# Altium PCB Rectifire_(PFC)_Evaluation_board.PcbDoc
Units mil, origin at the board's own origin, x right, y up, seen from the top; angles counter-clockwise.
Board outline 6000 x 4000 mil, 2 copper layers (Top Layer, Bottom Layer); 130 components, 52 nets, 310 pads, 0 vias.
Unrouted connection lines stored in the file: 245.
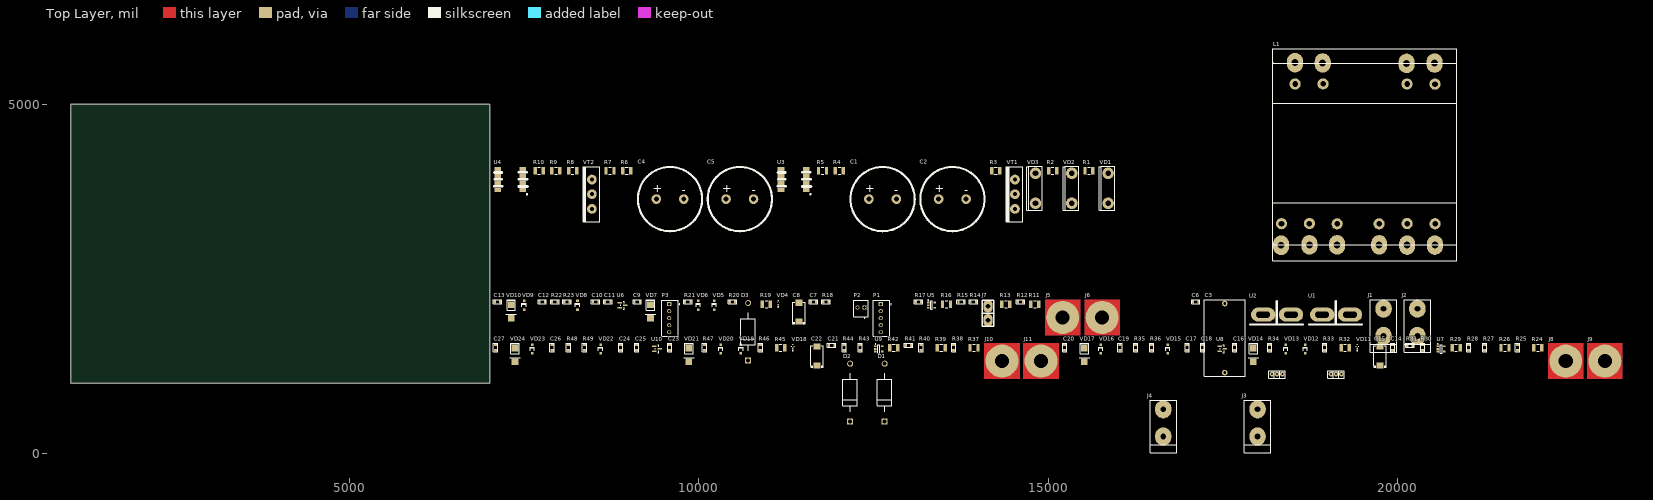
[diagram p0: Top Layer view]
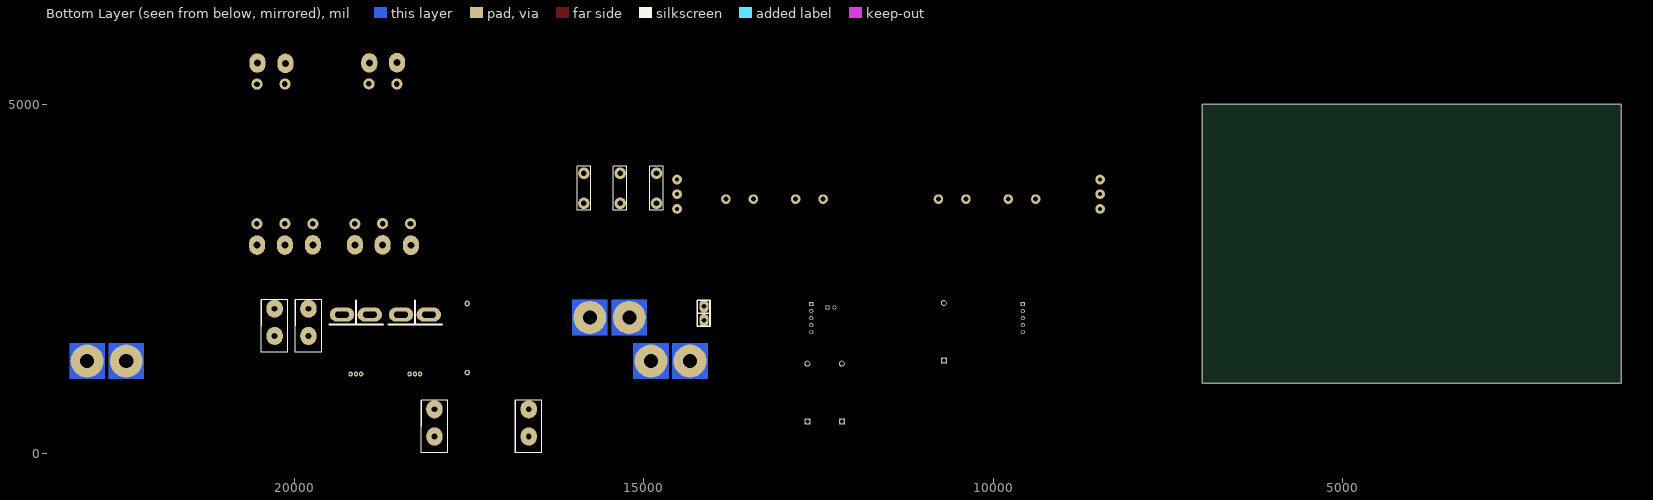
[diagram p1: Bottom Layer view, seen from below]

## Layer stack, top to bottom
Top Solder: solder mask 0.4, Solder Resist, Dk 3.5
Top Layer: signal copper 1.4
Dielectric 1: dielectric 12.6, FR-4, Dk 4.8
Bottom Layer: signal copper 1.4
Bottom Solder: solder mask 0.4, Solder Resist, Dk 3.5

## Board outline
1000,1000 7000,1000 7000,5000 1000,5000

## Design rules (kind name [scope] priority, off if disabled: settings)
Clearance [All] p1: gap=10 ignorepadtopadclearanceinfootprint=FALSE except(0: Arc-Hole Track-Hole SMDPad-Hole THPad-Hole Via-Hole Fill-Hole Poly-Hole Region-Hole Text-Hole)
PolygonConnect [All] p1: connectstyle=Relief reliefconductorwidth=10 reliefentries=4 polygonreliefangle="90 Angle" airgapwidth=10
RoomDefinition Rectifire_(PFC) [InComponentClass('Rectifire_(PFC)')] p1: confinementstyle=ConfineIn formatcopy=TRUE lockcomponents=FALSE outline 7045,1060 18670,1060 18670,4220 7045,4220
RoutingVias [All] p1: holewidth=28 width=50 viastyle="Through Hole" minholewidth=28 minwidth=50 maxholewidth=28 maxwidth=50
SolderMaskExpansion [All] p1: expansion=4 istentingtop=FALSE
Width [All] p1: maxlimit=10 minlimit=10 preferedwidth=10
30 further rules are at their usual default settings.

## Components (designator, comment, footprint, x,y, rotation, side; value= is the part's Value field where it differs from the comment)
C1 "CAP-POLAR" "CAP 100uF_500V 22x40mm" 12630,3640 r0 top
C2 "CAP-POLAR" "CAP 100uF_500V 22x40mm" 13630,3640 r0 top
C3 "CAP-NON-POLAR" CAP_4.7uF_630V 17530,1650 r90 top
C4 "CAP-POLAR" "CAP 100uF_500V 22x40mm" 9585,3640 r0 top
C5 "CAP-POLAR" "CAP 100uF_500V 22x40mm" 10585,3640 r0 top
C6 "CAP-NON-POLAR" CAP-0805 17115,2170 r0 top
C7 "0.1uF" CAP-0805 11640,2170 r0 top
C8 "50uF" CAP-TAN-D 11430,2020 r90 top
C9 "470pF" CAP-0805 9115,2170 r0 top
C10 "1uF" CAP-0805 8520,2170 r0 top
C11 "470pF" CAP-0805 8695,2170 r0 top
C12 "470pF" CAP-0805 7755,2170 r0 top
C13 "470pF" CAP-0805 7115,2170 r0 top
C14 "0.1uF" CAP-0805 19935,1515 r90 top
C15 "50uF" CAP-TAN-D 19755,1395 r90 top
C16 "470pF" CAP-0805 17675,1515 r90 top
C17 "1uF" CAP-0805 16995,1515 r90 top
C18 "470pF" CAP-0805 17215,1515 r90 top
C19 "470pF" CAP-0805 16030,1515 r90 top
C20 "470pF" CAP-0805 15240,1515 r90 top
C21 "0.1uF" CAP-0805 11900,1545 r0 top
C22 "50uF" CAP-TAN-D 11690,1395 r90 top
C23 "470pF" CAP-0805 9580,1515 r90 top
C24 "1uF" CAP-0805 8880,1515 r90 top
C25 "470pF" CAP-0805 9110,1515 r90 top
C26 "470pF" CAP-0805 7895,1515 r90 top
C27 "470pF" CAP-0805 7085,1515 r90 top
D1 "FR-207" FP-DO-201AD-MFG 12660,870 r90 top
D2 "FR-207" FP-DO-201AD-MFG 12165,870 r90 top
D3 "FR-207" FP-DO-201AD-MFG 10705,1740 r90 top
J1 "MG_136_HT" Conn_MEIGAN_MG136HT 19805,1780 r0 top
J2 "MG_136_HT" Conn_MEIGAN_MG136HT 20290,1780 r0 top
J3 "MG_136_HT" Conn_MEIGAN_MG136HT 18000,340 r0 top
J4 "MG_136_HT" Conn_MEIGAN_MG136HT 16650,340 r0 top
J5 "Klema_6mm" Connector_6mm 15210,1945 r0 top
J6 "Klema_6mm" Connector_6mm 15775,1945 r0 top
J7 "Klema_15_A" Klema_PCB_15A 14140,2005 r90 top
J8 "Klema_6mm" Connector_6mm 22415,1320 r0 top
J9 "Klema_6mm" Connector_6mm 22975,1320 r0 top
J10 "Klema_6mm" Connector_6mm 14340,1320 r0 top
J11 "Klema_6mm" Connector_6mm 14900,1320 r0 top
L1 "750311457" Drossel 19480,4390 r0 top
P1 "61900511121" 61900511121 12615,1935 r90 top
P2 "61900211121" 61900211121 12320,2075 r0 top
P3 "61900511121" 61900511121 9585,1935 r90 top
R1 "RES_1210" RES_SMD_1210_IPC_B 15585,4045 r0 top
R2 "RES_1210" RES_SMD_1210_IPC_B 15065,4045 r0 top
R3 "RES_1210" RES_SMD_1210_IPC_B 14250,4045 r0 top
R4 "RES_1210" RES_SMD_1210_IPC_B 12010,4045 r0 top
R5 "RES_1210" RES_SMD_1210_IPC_B 11770,4045 r0 top
R6 "RES_1210" RES_SMD_1210_IPC_B 8965,4045 r0 top
R7 "RES_1210" RES_SMD_1210_IPC_B 8725,4045 r0 top
R8 "RES_1210" RES_SMD_1210_IPC_B 8190,4045 r0 top
R9 "RES_1210" RES_SMD_1210_IPC_B 7950,4045 r0 top
R10 "RES_1210" RES_SMD_1210_IPC_B 7710,4045 r0 top
R11 "330K" RES_SMD_1210_IPC_B 14810,2135 r0 top
R12 "20K" RES-0805 14605,2170 r0 top
R13 "330K" RES_SMD_1210_IPC_B 14395,2135 r0 top
R14 "4.7K" RES-0805 13930,2170 r0 top
R15 "10K  1%" RES-0805 13755,2170 r0 top
R16 "330K" RES_SMD_1210_IPC_B 13545,2135 r0 top
R17 "10K" RES-0805 13145,2170 r0 top
R18 "10K 1%" RES-0805 11820,2170 r0 top
R19 "10K" RES_SMD_1210_IPC_B 10965,2135 r0 top
R20 "10K" RES-0805 10480,2170 r0 top
R21 "10K" RES-0805 9840,2170 r0 top
R22 "15K" RES-0805 7935,2170 r0 top
R23 "30K" RES-0805 8110,2170 r0 top
R24 "330K" RES_SMD_1210_IPC_B 22015,1510 r0 top
R25 "20K" RES-0805 21725,1515 r90 top
R26 "330K" RES_SMD_1210_IPC_B 21545,1510 r0 top
R27 "4.7K" RES-0805 21255,1515 r90 top
R28 "10K  1%" RES-0805 21025,1515 r90 top
R29 "330K" RES_SMD_1210_IPC_B 20845,1510 r0 top
R30 "10K" RES-0805 20365,1515 r90 top
R31 "10K 1%" RES-0805 20185,1545 r0 top
R32 "10K" RES_SMD_1210_IPC_B 19255,1510 r0 top
R33 "10K" RES-0805 18965,1515 r90 top
R34 "10K" RES-0805 18175,1515 r90 top
R35 "15K" RES-0805 16255,1515 r90 top
R36 "30K" RES-0805 16485,1515 r90 top
R37 "330K" RES_SMD_1210_IPC_B 13940,1510 r0 top
R38 "20K" RES-0805 13650,1515 r90 top
R39 "330K" RES_SMD_1210_IPC_B 13470,1510 r0 top
R40 "4.7K" RES-0805 13180,1515 r90 top
R41 "10K  1%" RES-0805 13000,1545 r0 top
R42 "330K" RES_SMD_1210_IPC_B 12790,1510 r0 top
R43 "10K" RES-0805 12310,1515 r90 top
R44 "10K 1%" RES-0805 12080,1515 r90 top
R45 "10K" RES_SMD_1210_IPC_B 11170,1510 r0 top
R46 "10K" RES-0805 10880,1515 r90 top
R47 "10K" RES-0805 10080,1515 r90 top
R48 "15K" RES-0805 8130,1515 r90 top
R49 "30K" RES-0805 8360,1515 r90 top
U1 "ACS758" ACS758-100 19125,1520 r0 top
U2 "ACS758" ACS758-100 18280,1520 r0 top
U3 "HCPL-3120" HCPL-3120 11355,3920 r0 top
U4 "HCPL-3120" HCPL-3120 7295,3920 r0 top
U5 "" SOT-23-5 13330,2120 r0 top
U6 "TL431" TL431_SOT-23-3(A) 8905,2120 r0 top
U7 "" SOT-23-5 20630,1495 r0 top
U8 "TL431" TL431_SOT-23-3(A) 17495,1495 r0 top
U9 "" SOT-23-5 12575,1495 r0 top
U10 "TL431" TL431_SOT-23-3(A) 9400,1495 r0 top
VD1 "MUR4060" TO-247-2 15860,3795 r90 top
VD2 "MUR4060" TO-247-2 15340,3795 r90 top
VD3 "MUR4060" TO-247-2 14820,3795 r90 top
VD4 "5.0V" SOD-323 11135,2155 r90 top
VD5 "5.1V" DIOD-SOD123-2_V 10220,2120 r90 top
VD6 "5.1V" DIOD-SOD123-2_V 9990,2120 r90 top
VD7 "3.3V" DO-214AA 9305,1950 r90 top
VD8 "3.3V" DIOD-SOD123-2_V 8260,2120 r90 top
VD9 "3.3V" DIOD-SOD123-2_V 7495,2120 r90 top
VD10 "3.3V" DO-214AA 7310,1950 r90 top
VD11 "5.0V" SOD-323 19430,1530 r90 top
VD12 "5.1V" DIOD-SOD123-2_V 18685,1495 r90 top
VD13 "5.1V" DIOD-SOD123-2_V 18405,1495 r90 top
VD14 "3.3V" DO-214AA 17940,1325 r90 top
VD15 "3.3V" DIOD-SOD123-2_V 16715,1495 r90 top
VD16 "3.3V" DIOD-SOD123-2_V 15755,1495 r90 top
VD17 "3.3V" DO-214AA 15520,1325 r90 top
VD18 "5.0V" SOD-323 11345,1530 r90 top
VD19 "5.1V" DIOD-SOD123-2_V 10600,1495 r90 top
VD20 "5.1V" DIOD-SOD123-2_V 10310,1495 r90 top
VD21 "3.3V" DO-214AA 9855,1325 r90 top
VD22 "3.3V" DIOD-SOD123-2_V 8590,1495 r90 top
VD23 "3.3V" DIOD-SOD123-2_V 7610,1495 r90 top
VD24 "3.3V" DO-214AA 7365,1325 r90 top
VT1 "IGBT 60N120T" TO-264-3 14500,3710 r90 top
VT2 "IGBT 60N120T" TO-264-3 8440,3710 r90 top

## Footprints (in the part's own frame and the unit in brackets; to place one, negate y for a bottom-side part, rotate by r counter-clockwise, add the part's x,y. Pads: shape width x height; smd on the part's side, far side on the other; paste and mask are expansions set on the pad)
61900211121 [mm] "2.54mm Male Locking Header, 2p"
  rect 1.5x1.5 hole 1: 1(1.27,0.3)
  round 1.5 hole 1: 2(-1.27,0.3)
  silkscreen extent -2.71,-3.52 2.71,2.98, body extent -2.54,-2.9 2.54,2.9, height 11.53
61900511121 [mm] "2.54mm Male Locking Header, 5p"
  rect 1.5x1.5 hole 1: 1(5.08,0.3)
  round 1.5 hole 1: 2(2.54,0.3) 3(0,0.3) 4(-2.54,0.3) 5(-5.08,0.3)
  silkscreen extent -6.52,-3.52 6.52,2.98, body extent -6.35,-2.9 6.35,2.9, height 11.53
ACS758-100 [mil]
  oval 60x70 hole 30: 1(-75,-385) 2(0,-385) 3(75,-385)
  oval 350x200 hole 90 slot 195 at 0 deg: 4(200,465) 5(-200,465)
  silkscreen extent -385,-449 370,665, body extent -276,-404 276,492, height 280
"CAP 100uF_500V 22x40mm" [mm]
  round 3.5 hole 1.8: 1(-5,0) 2(5,0)
  silkscreen extent -11.68,-11.68 11.68,11.68, body extent -11,-11 11.1,11.1, height 31.53
CAP-0805 [mm]
  rect 0.8x1.25 smd mask+0.015: 1(-1,0) 2(1,0)
  silkscreen extent -1.52,-0.76 1.52,0.76, body extent -1,-0.62 1,0.63, height 0.8
CAP-TAN-D [mm]
  rect 2.2x2.5 smd: 1(-3.45,0) 2(3.45,0)
  silkscreen extent -4.5,-2.4 3.65,2.4, body extent -3.8,-2.3 3.8,2.3, height 4
CAP_4.7uF_630V [mil]
  round 80 hole 40: 1(-495,0) 2(495,0)
  silkscreen extent -550,-293 550,293, body extent -527,-289 527,289, height 1242
Conn_MEIGAN_MG136HT [mm]
  oval 6x6.6 hole 2.159: 1(0,-2.54) 1(0,7.366)
  silkscreen extent -4.83,-8.51 4.83,10.67, body extent -6,-8.55 5,9.95, height 30.95
Connector_6mm [mm]
  round 12 hole 5.1: 1(0,0)
  Top Layer region: -6.5,-6.5 6.5,-6.5 6.5,6.5 -6.5,6.5
  Bottom Layer region: -6.5,-6.5 6.5,-6.5 6.5,6.5 -6.5,6.5
DIOD-SOD123-2_V [mm] "SOD123, 2-Leads, Body 2.7x1.55mm, Height 1.45mm"
  rect 0.9x0.95 smd: 1(1.575,0) 2(-1.575,0)
  silkscreen extent -0.64,-0.83 0.64,0.77, body extent -1.88,-0.8 1.88,0.8, height 1.3
DO-214AA [mm]
  rect 2.4x2.4 smd: 1(-0.381,0) 2(4.5,0)
  silkscreen extent 1.02,-1.91 6.35,1.91, body extent -0.75,-1.97 4.85,1.97, height 2.65
Drossel [mil]
  oval 230x280 hole 100: 1(-943,1204) 2(-546,1200) 3(655,1193) 4(1057,1199) 5(-1143,-1411) 6(-737,-1406) 7(664,-1408) 8(1061,-1408) 9(-340,-1406) 10(263,-1405)
  round 160 hole 80: 1(-941,899) 2(-541,901) 3(662,899) 4(1062,897) 5(-1136,-1102) 6(-737,-1100) 7(663,-1101) 8(1064,-1103) 9(-339,-1104) 10(262,-1104)
  silkscreen extent -1259,-1630 1376,1405, body extent -1251,-1399 1383,1203, height 2024
FP-DO-201AD-MFG [mm]
  rect 2.2x2.2 hole 1.45 paste-2539.97 mask+0: 1(-10.47,0)
  round 2.2 hole 1.45 paste-2539.97 mask+0: 2(10.47,0)
  silkscreen extent -7,-2.65 7,2.65, body extent -11.67,-2.75 11.67,2.75, height 0.25
HCPL-3120 [mil]
  rect 94.49x60 smd mask+4: 1(180,-150) 2(180,-45) 3(180,55) 4(180,150) 5(-180,150) 6(-180,55) 7(-180,-45) 8(-180,-150)
  silkscreen extent -225,-220 250,105, body extent -191,-191 191,191, height 181
Klema_PCB_15A [mil]
  oval 180x130 hole 70: 1(-100,0) 1(100,0)
  silkscreen extent -185,-85 185,85, body extent -161,-16 161,16, height 505
RES-0805 [mm]
  rect 0.8x1.25 smd mask+0.015: 1(-1,0) 2(1,0)
  silkscreen extent -1.52,-0.76 1.52,0.76, body extent -1,-0.62 1,0.63, height 0.6
RES_SMD_1210_IPC_B [mil]
  rect 47.44x106.54 smd paste+0 mask+0: 1(-57.11,0) 2(57.11,0)
  silkscreen extent -19,-49 19,49, body extent -91,-63 91,63, height 10
SOD-323 [mm]
  rect 0.5x0.6 smd paste-1000 mask+0: 1(-0.7,0) 2(0.7,0)
  silkscreen extent -1.6,-0.43 0.08,0.43, body extent -1.07,-0.6 1.07,0.6, height 0.25
SOT-23-5 [mm]
  rect 0.9x0.65 smd: 1(-1.2,0.95) 2(-1.2,0) 3(-1.2,-0.95) 4(1.2,-0.95) 5(1.2,0.95)
  silkscreen extent -1.32,-1.55 0.35,1.95, body extent -1.4,-1.45 1.4,1.45, height 1.24
TL431_SOT-23-3(A) [mm]
  rect 1.659x0.627 smd paste+0 mask+0: 1(-0.977,0.915)
  rrect100% 1.659x0.627 smd paste+0 mask+0: 2(-0.977,-0.915) 3(0.977,0)
  silkscreen extent -0.65,-1.45 0.65,1.45, body extent -2.31,-1.95 2.31,1.95, height 0.25
TO-247-2 [mil]
  round 165.35 hole 80: 1(-215,0) 3(215,0)
  silkscreen extent -312,-98 312,125, body extent -311,-91 311,107, height 1472
TO-264-3 [mm]
  round 3.55 hole 1.45: 1(-5.334,-0.635) 2(0,-0.635) 3(5.334,-0.635)
  silkscreen extent -10.03,-3.43 10.03,2.54, body extent -10,-3.5 10,1.5, height 38.4

## Part data
C7 C9 C10 C11 C12 C13 C14 C16 C17 C18 C19 C20 C21 C23 C24 C25 C26 C27: library part CAP-NON-POLAR
C8 C15 C22: library part CAP-POLAR
D1 D2 D3: "FR207"
J1 J2 J3 J4: library part Connector_MEIGAN_MG136HT
J5 J6 J8 J9 J10 J11: library part Klema_15_A
L1: library part DROSEL, "Drosel", Manufacturer="Wuerth Elektronik", ComponentLink1Description="Manufacturer URL", ComponentLink1URL=http://www.we-online.com, ComponentLink2Description=Datasheet, ComponentLink2URL=http://katalog.we-online.de/pbs/datasheet/750311457.pdf, PackageReference=EP13, PartNumber=750311457, Ui=36V
P1 P3: "WR-WTB THT Male Vertical Locking Header, pitch 2.54mm, 5p", Contact Resistance=20mOhm, Operating Temperature="-40 to +105degC", Rated Current=3A, Withstanding Voltage=1000VAC, Working Voltage=250VAC, ComponentLink1Description=Manufacturer, ComponentLink1URL=http://www.we-online.de, ComponentLink2Description=Datasheet, ComponentLink2URL=https://www.we-online.com/catalog/datasheet/61900511121.pdf, Gender=Male, Mounting Technology=THT, Packaging=Bag, Part Number=61900511121, Pin Number=5, Pitch=2.54mm, Published Date="January 2020", Publisher="Wurth Elektronik", Type=Vertical
P2: "WR-WTB THT Male Vertical Locking Header, pitch 2.54mm, 2p", Contact Resistance=20mOhm, Operating Temperature="-40 to +105degC", Rated Current=3A, Withstanding Voltage=1000VAC, Working Voltage=250VAC, ComponentLink1Description=Manufacturer, ComponentLink1URL=http://www.we-online.de, ComponentLink2Description=Datasheet, ComponentLink2URL=https://www.we-online.com/catalog/datasheet/61900211121.pdf, Gender=Male, Mounting Technology=THT, Packaging=Bag, Part Number=61900211121, Pin Number=2, Pitch=2.54mm, Published Date="January 2020", Publisher="Wurth Elektronik", Type=Vertical
R11 R13 R16 R19 R24 R26 R29 R32 R37 R39 R42 R45: library part RES_1210
R12 R14 R17 R20 R21 R22 R23 R25 R27 R30 R33 R34 R35 R36 R38 R40 R43 R46 R47 R48 R49: library part RES-CONST
R15 R18 R28 R31 R41 R44: library part RES-CONST, "10K"
U5 U7 U9: library part MCP6001T, "IC OPAMP GP 1 CIRCUIT SOT23-5", Case/Package=SOT-23, Input Bias Current=1pA, Input Offset Voltage (Vos)=4.5mV, Max Operating Temperature=85°C, Max Supply Voltage=6V, Min Operating Temperature=-40°C, Min Supply Voltage=1.8V, Nominal Supply Current=100uA, Operating Supply Voltage=5.5V, Output Current=23mA, Package Quantity=1, Power Supply Rejection Ratio (PSRR)=86dB, Voltage Gain=112dB, Bandwidth=1MHz, Common Mode Rejection Ratio=60dB, Contact Plating=Tin, Gain Bandwidth Product=1MHz, Height=1.3mm, Lead Free="Lead Free", Length=3.1mm, Mount="Surface Mount", Number of Amplifiers=1, Number of Channels=1, Number of Circuits=1, Number of Elements=1, Number of Pins=5, Operating Supply Current=100uA, Output Current per Channel=23mA, Packaging="Tape and Reel", Radiation Hardening=No, REACH SVHC="No SVHC", Slew Rate=0.6V/µs, Unity Gain Bandwidth Product=1MHz, Voltage=6V, Width=1.8mm
U6 U8 U10: library part TL431_SOT-23-3, "TL431_SOT-23-3"
VD4 VD11 VD18: library part SMBJ15A
VD5 VD6 VD8 VD9 VD12 VD13 VD15 VD16 VD19 VD20 VD22 VD23: library part ZENER
VD7 VD10 VD14 VD17 VD21 VD24: library part Suppressor
VT1 VT2: "IGBT 60N120T TO-264-3"

## Nets (pads, with @x,y where several pads share a name; then routed paths per layer and width w, separated by ;. In a path a pad name is that pad's centre, name@x,y a point inside that pad or via, vN(x,y) a via of type N, cw(c..) or ccw(c..) an arc to the next point about the centre after c; other vN are vias at no path point)
+5: C7.2 C8.1 C14.2 C15.1 C21.2 C22.1 P1.1 P3.1 R14.2 R15.2 R27.2 R28.2 R40.2 R41.2 U5.5 U7.5 U9.5 VD6.1 VD13.1 VD20.1
+18_1: U4.8
+18_2: U3.8
GND: C3.1 C4.2 C5.2 C6.1 J3.1 J4.1 R8.1 R9.1 U4.5 VD3.3 VT2.3
GND_II: L1.5 L1.6 L1.7 L1.8 U3.5 VD3.1 VT1.3
GND_III: U1.2
NetC1_1: C1.1 C2.1 U1.4 VD1.1 VD2.1
NetC1_2: C1.2 C4.1
NetC2_2: C2.2 C5.1
NetC3_2: C3.2 J1.1 U2.4
NetC6_2: C6.2 R6.1 R7.1 R8.2 R9.2
NetC7_1: C7.1 C8.2 C9.1 C10.1 C11.1 C12.1 C13.1 C14.1 C15.2 C16.1 C17.1 C18.1 C19.1 C20.1 C21.1 C22.2 C23.1 C24.1 C25.1 C26.1 C27.1 P1.5 P2.2 P3.5 R18.1 R19.1 R20.1 R21.1 R22.1 R23.1 R31.1 R32.1 R33.1 R34.1 R35.1 R36.1 R44.1 R45.1 R46.1 R47.1 R48.1 R49.1 U5.2 U6.3 U7.2 U8.3 U9.2 U10.3 VD4.1 VD5.2 VD6.2 VD7.1 VD8.2 VD9.2 VD10.1 VD11.1 VD12.2 VD13.2 VD14.1 VD15.2 VD16.2 VD17.1 VD18.1 VD19.2 VD20.2 VD21.1 VD22.2 VD23.2 VD24.1
NetC9_2: C9.2 R12.2 R15.1 R16.1 R18.2 R19.2 U5.3 VD4.2 VD5.1
NetC10_2: C10.2 R14.1 R21.2 U5.4 U6.1 U6.2
NetC11_2: C11.2 R17.2 R20.2 U5.1
NetC12_2: C12.2 P3.2 R17.1 R22.2 VD7.2 VD8.1
NetC13_2: C13.2 P1.2 R12.1 R23.2 VD9.1 VD10.2
NetC16_2: C16.2 R25.2 R28.1 R29.1 R31.2 R32.2 U7.3 VD11.2 VD12.1
NetC17_2: C17.2 R27.1 R34.2 U7.4 U8.1 U8.2
NetC18_2: C18.2 R30.2 R33.2 U7.1
NetC19_2: C19.2 P3.3 R30.1 R35.2 VD14.2 VD15.1
NetC20_2: C20.2 P1.3 R25.1 R36.2 VD16.1 VD17.2
NetC23_2: C23.2 R38.2 R41.1 R42.1 R44.2 R45.2 U9.3 VD18.2 VD19.1
NetC24_2: C24.2 R40.1 R47.2 U9.4 U10.1 U10.2
NetC25_2: C25.2 R43.2 R46.2 U9.1
NetC26_2: C26.2 P3.4 R43.1 R48.2 VD21.2 VD22.1
NetC27_2: C27.2 P1.4 R38.1 R49.2 VD23.1 VD24.2
NetD1_1: D1.1 D2.1 D3.1 J7.1 P2.1
NetD1_2: D1.2 J5.1 J6.1 R11.2
NetD2_2: D2.2 J8.1 J9.1 R24.2
NetD3_2: D3.2 J10.1 J11.1 R37.2
NetJ2_1: J2.1 R1.2 U1.5
NetL1_1: L1.1 L1.2 L1.3 L1.4 VD1.3 VD2.3 VT2.2
NetR1_1: R1.1 R4.2
NetR2_1: R2.1 R5.2
NetR2_2: R2.2 U2.5 VT1.2
NetR3_1: R3.1 U3.6 U3.7
NetR3_2: R3.2 VT1.1
NetR4_1: R4.1 R6.2
NetR5_1: R5.1 R7.2
NetR10_1: R10.1 U4.6 U4.7
NetR10_2: R10.2 VT2.1
NetR11_1: R11.1 R13.2
NetR13_1: R13.1 R16.2
NetR24_1: R24.1 R26.2
NetR26_1: R26.1 R29.2
NetR37_1: R37.1 R39.2
NetR39_1: R39.1 R42.2
NetU3_2: U3.2
NetU3_3: U3.3
NetU4_2: U4.2
NetU4_3: U4.3
pads on no net: L1.9 L1.10 U1.1 U1.3 U2.1 U2.2 U2.3 U3.1 U3.4 U4.1 U4.4

## Text inside footprints (layer, text, board x,y; h text height)
C1: Top Overlay "-" at 12800,3720.02 h120; Top Overlay "+" at 12380,3740.01 h120
C2: Top Overlay "-" at 13800,3720.02 h120; Top Overlay "+" at 13380,3740.01 h120
C4: Top Overlay "-" at 9755,3720.02 h120; Top Overlay "+" at 9335,3740.01 h120
C5: Top Overlay "-" at 10755,3720.02 h120; Top Overlay "+" at 10335,3740.01 h120